# KiCad board OpenPLC_Hardware.kicad_pcb (continued)
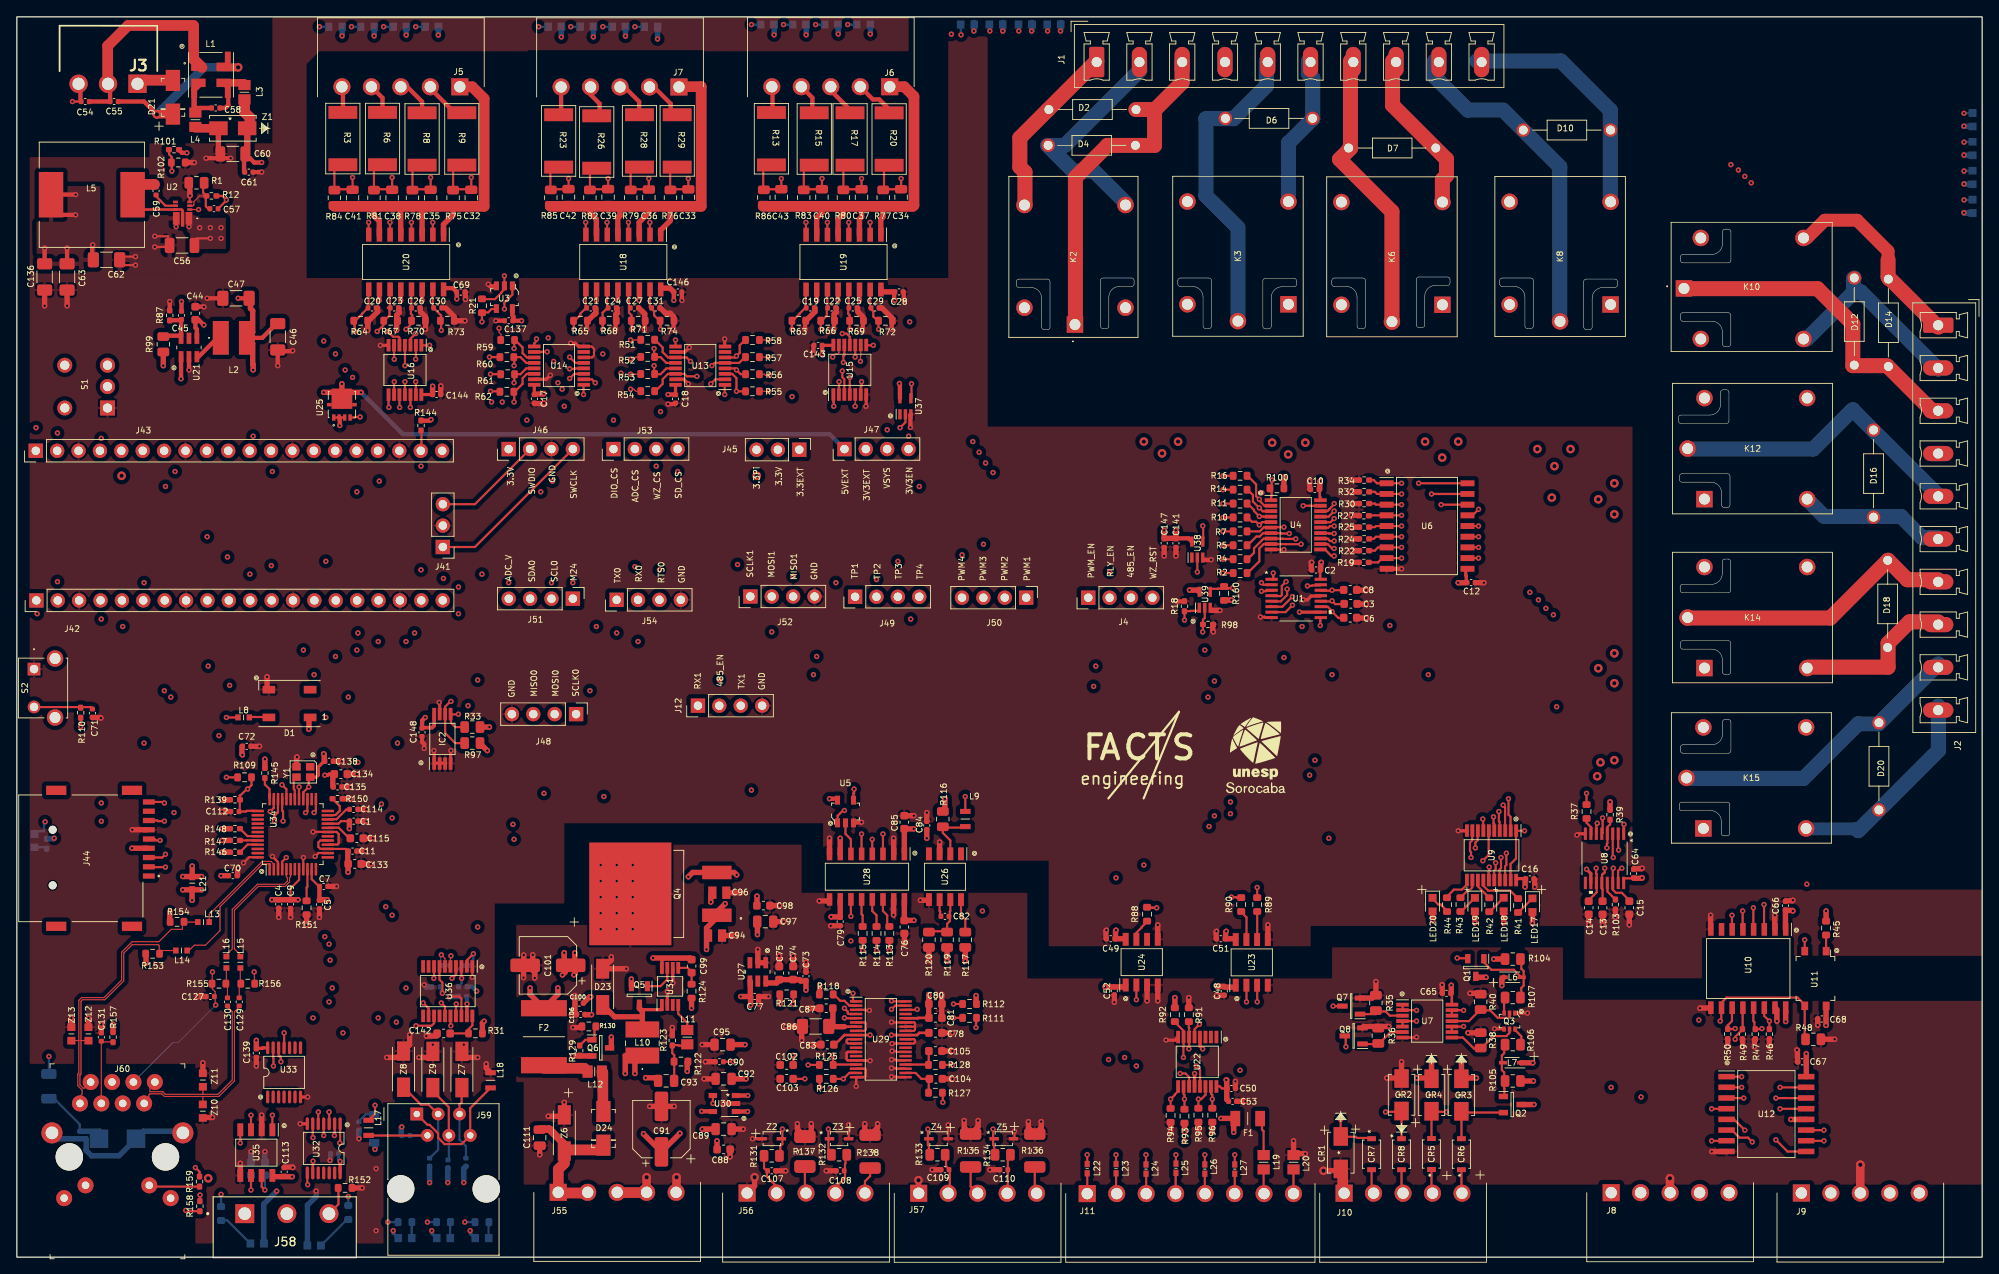
[diagram p0: board, top side]
## Routing (per net, layer and track width the routed paths; a pad name or vN(x,y) marks a point on that pad's centre or on a via; arc(x,y) is an arc through that point) (continued)
  Bottom w0.254: v1(65.78,146.15) 66.9,146.15
Net-(LED23-Pad1): length 63.7
  Top w0.127: v1(72.89,104.87) 74.14,104.87
  In2.Cu w0.127: v1(64.26,103.86) 66.93,103.86 67.56,104.49 72.51,104.49 v1(72.89,104.87)
  In3.Cu w0.127: v1(64.26,103.86) 64.26,110.21 59.94,114.52 59.94,143.48 60.96,144.5 61.47,144.5 62.73,145.77 65.4,145.77 65.53,145.64 66.04,145.64 66.55,146.15 v1(69.59,146.15)
  Bottom w0.254: v1(69.59,146.15) 70.71,146.15
Net-(LED24-Pad1): length 67.1
  Top w0.127: 74.14,102.84 73.53,102.84 73.28,103.09 v1(72.89,103.09)
  In2.Cu w0.127: v1(64.77,103.09) v1(72.89,103.09)
  In3.Cu w0.127: v1(64.77,103.09) 64.77,110.33 60.32,114.78 60.32,143.48 61.08,144.24 61.59,144.24 62.86,145.51 65.28,145.51 65.4,145.39 66.16,145.39 66.29,145.51 71.12,145.51 71.75,146.15 v1(73.4,146.15)
  Bottom w0.254: v1(73.4,146.15) 74.52,146.15
Net-(LED25-Pad1): length 59.5
  Top w0.127: 88.16,102.84 v1(89.28,102.84)
  In3.Cu w0.127: v1(98.68,146.4) 97.03,146.4 96.39,145.77 93.09,145.77 92.96,145.64 90.42,145.64 90.29,145.77 88.26,145.77 85.59,143.1 85.59,115.79 90.42,110.97 90.42,103.98 v1(89.28,102.84)
  Bottom w0.254: v1(98.68,146.4) 99.79,146.4
Net-(LED26-Pad1): length 54.5
  Top w0.127: v1(89.41,104.75) 88.9,104.75 88.77,104.87 88.16,104.87
  In3.Cu w0.127: v1(94.87,146.4) 92.83,146.4 92.33,145.89 90.8,145.89 90.67,146.02 88.14,146.02 86.74,144.62 86.36,144.62 85.09,143.35 85.09,115.16 90.04,110.21 90.04,106.27 89.41,105.63 v1(89.41,104.75)
  Bottom w0.254: v1(94.87,146.4) 95.98,146.4
Net-(LED27-Pad1): length 48.8
  Top w0.127: 88.16,106.9 v1(89.28,106.9)
  In3.Cu w0.127: v1(89.28,106.9) 89.79,107.41 89.79,109.57 84.45,114.91 84.45,143.1 86.23,144.88 86.61,144.88 88.14,146.4 v1(91.06,146.4)
  Bottom w0.254: v1(91.06,146.4) 92.17,146.4
Net-(LED28-Pad1): length 43.4
  Top w0.127: 88.16,108.94 v1(89.28,108.94)
  In3.Cu w0.127: v1(89.28,108.94) 83.82,114.4 83.82,142.97 v1(87.25,146.4)
  Bottom w0.254: v1(87.25,146.4) 88.36,146.4
Net-(LED29-Pad1): length 65
  Top w0.127: 57.5,108.94 57.5,109.6 57.27,109.83 v1(57.27,110.33)
  In2.Cu w0.127: v1(36.45,108.81) 38.73,111.1 51.3,111.1 52.07,110.33 v1(57.27,110.33)
  In3.Cu w0.127: v1(36.45,108.81) 36.45,111.6 32.64,115.41 32.64,142.85 v1(35.94,146.15)
  Bottom w0.254: v1(35.94,146.15) 37.06,146.15
Net-(LED30-Pad1): length 67
  Top w0.254: v1(56.13,106.9) 57.5,106.9
  In2.Cu w0.127: v1(56.13,106.9) 51.81,106.9 51.56,107.16 46.1,107.16 45.08,106.14 41.91,106.14 40.76,107.29 v1(37.84,107.29)
  In3.Cu w0.127: v1(39.75,146.15) 36.95,146.15 33.14,142.34 33.14,115.67 37.84,110.97 v1(37.84,107.29)
  Bottom w0.254: v1(39.75,146.15) 40.87,146.15
Net-(LED31-Pad1): length 70.6
  Top w0.254: v1(56.26,104.87) 57.5,104.87
  In2.Cu w0.127: v1(56.26,104.87) 42.54,104.87 42.03,105.38 v1(38.99,105.38)
  In3.Cu w0.127: v1(38.99,105.38) 38.99,110.59 33.65,115.92 33.65,142.21 37.33,145.89 39.11,145.89 39.37,145.64 40.89,145.64 41.4,146.15 v1(43.56,146.15)
  Bottom w0.254: v1(43.56,146.15) 44.68,146.15
Net-(LED32-Pad1): length 75.5
  Top w0.254: v1(56.26,102.84) 57.5,102.84
  In2.Cu w0.127: v1(39.88,104.49) 54.61,104.49 v1(56.26,102.84)
  In3.Cu w0.127: v1(39.88,104.49) 39.88,107.16 39.49,107.54 39.49,110.71 34.03,116.18 34.03,141.96 37.64,145.57 37.64,145.23 38.39,144.48 44.05,144.48 45.72,146.15 v1(47.37,146.15)
  Bottom w0.254: v1(47.37,146.15) 48.49,146.15
Net-(LED33-Pad2): length 1.5
  Bottom w0.254: LED33.2 3.42,48.68 3.55,48.55
Net-(LED34-Pad2): length 4.6
  Bottom w0.254: 39.37,4.52 39.24,4.52 LED34.2
Net-(LED35-Pad2): length 4.6
  Bottom w0.254: 24.28,4.37 24.98,4.37 LED35.2
Net-(LED36-Pad2): length 1.9
  Bottom w0.254: LED36.2 46.89,2.27 46.89,4.16
Net-(LED37-Pad2): length 1.9
  Bottom w0.254: 51.46,4.16 51.46,2.27 LED37.2
Net-(LED38-Pad2): length 1.9
  Bottom w0.254: LED38.2 56.03,2.27 56.03,4.16
Net-(Q3-Pad2): length 8.2
  Top w0.254: 170.43,28.04 172.46,28.04 173.73,29.31 175,29.31 175.89,28.42 177.16,28.42 177.29,28.55 Q3.2
Net-(Q3-Pad3): length 1.9
  Top w0.254: 176.64,28.99 176.64,30.82 176.65,30.83
Net-(Q3-Pad5): length 8.6
  Top w0.254: 170.43,26.09 171.75,26.09 173.06,24.78 173.9,24.78 175.38,26.26 176.91,26.26 177.29,26.64 Q3.5
Net-(Q3-Pad6): length 2.2
  Top w0.254: Q3.6 177.94,26.99 178.69,26.24 178.69,25.24
Net-(Q5-Pad1): length 4.1
  Top w0.254: Q5.1 76.45,32.19 77.25,33 U31.7
Net-(Q6-Pad1): length 3.7
  Top w0.254: R130.1 68.6,27.24 68.6,25.82 67.53,25.82 R129.2
Net-(Q7-Pad1): length 5.2
  Top w0.254: 159.86,28.86 161.41,28.86 161.41,29.18 162.57,29.18 163.06,28.69 164.59,28.69
Net-(Q8-Pad1): length 5.2
  Top w0.254: 159.86,25.31 161.48,25.31 ; 161.6,25.18 163.16,26.74 164.59,26.74
Net-(R2-Pad1): length 19.1
  Top w0.254: v1(152.52,84.68) 150.75,84.68 150.74,84.69 148.08,84.69 147.57,84.18 147.57,82.65 146.17,81.25 146.07,81.25 ; v1(151.51,77.44) 150.68,76.62 149.22,76.62
  In3.Cu w0.254: v1(151.51,77.44) 152.14,78.08 152.14,79.09 152.52,79.47 v1(152.52,84.68)
Net-(R4-Pad1): length 17
  Top w0.254: 146.07,82.9 146.17,82.9 146.94,83.66 146.94,84.2 148.08,85.34 150.34,85.34 150.37,85.31 v1(151.89,85.31) ; 149.22,77.25 150.3,77.25 v1(151.51,78.46)
  In3.Cu w0.254: v1(151.89,85.31) 151.89,79.47 151.51,79.09 v1(151.51,78.46)
Net-(R5-Pad1): length 15.4
  Top w0.254: v1(151.13,85.95) 150.24,85.95 150.2,85.99 148.01,85.99 147.61,85.59 147.21,85.59 146.17,84.55 146.07,84.55 ; 149.22,77.89 150.11,77.89 150.87,78.65 v1(150.87,79.35)
  In3.Cu w0.254: v1(151.13,85.95) 151.13,85.06 151.51,84.68 151.51,79.98 v1(150.87,79.35)
Net-(R7-Pad1): length 14.4
  Top w0.254: 149.22,78.52 150.11,78.52 150.24,78.65 150.24,79.73 v1(150.75,80.23) ; v1(150.49,86.71) 148.13,86.71 147.62,86.2 146.07,86.2
  In3.Cu w0.254: v1(150.75,80.23) 150.75,82.01 151.13,82.39 151.13,84.43 150.49,85.06 v1(150.49,86.71)
Net-(R10-Pad1): length 13.1
  Top w0.254: 149.22,79.16 148.33,79.16 148.33,79.09 v1(147.82,79.09) ; 148.95,87.31 147.91,87.31 v1(147.57,86.97) 147.19,87.35 146.68,87.35 146.17,87.85 146.07,87.85
  In3.Cu w0.254: v1(147.57,86.97) 147.57,83.66 147.19,83.28 147.19,79.73 v1(147.82,79.09)
Net-(R11-Pad1): length 13.5
  Top w0.254: 148.97,87.94 148.08,87.94 148.08,87.98 v1(147.57,87.98) 146.94,88.62 146.94,88.74 146.17,89.51 146.07,89.51 ; U1.2 148.07,79.87 v1(147.82,80.11)
  In3.Cu w0.254: v1(147.57,87.98) 148.46,87.09 148.46,80.74 v1(147.82,80.11)
Net-(R14-Pad1): length 13.7
  Top w0.254: 149.22,80.43 149.22,80.86 149.22,80.87 v1(149.22,81.25) ; 146.07,91.16 146.17,91.16 146.81,90.52 146.81,89.76 v1(147.57,89) 147.98,88.59 148.97,88.59
  In3.Cu w0.254: v1(149.22,81.25) 149.22,87.35 v1(147.57,89)
Net-(R16-Pad1): length 19.8
  Top w0.254: v1(153.29,79.73) 153.79,79.73 153.86,79.79 154.82,79.79 ; 148.97,89.24 148.19,89.24 147.57,89.86 v1(147.57,90.01) 147.19,90.39 147.19,91.79 146.17,92.81 146.07,92.81
  In3.Cu w0.254: v1(153.29,79.73) 153.29,81.25 153.16,81.38 153.16,84.93 149.6,88.49 149.09,88.49 v1(147.57,90.01)
Net-(R19-Pad1): length 15.1
  Top w0.254: 160.59,82.52 161.67,82.52 162.18,83.03 v1(164.46,83.03) ; v1(156.46,83.28) 156.14,83.28 155.38,84.04 154.81,84.04
  In2.Cu w0.127: v1(164.46,83.03) 161.92,83.03 160.78,81.89 157.86,81.89 v1(156.46,83.28)
Net-(R21-Pad1): length 14.9
  Top w0.254: v1(61.72,109.06) 61.72,108.81 61.47,108.56 61.47,108.16 ; v1(57.91,116.56) 57.91,114.96 57.53,114.58 57.53,114.52 56.79,113.79 55.24,113.79
  In3.Cu w0.127: v1(61.72,109.06) 61.72,110.71 57.91,114.52 v1(57.91,116.56)
Net-(R22-Pad1): length 14.7
  Top w0.254: 154.81,84.69 155.7,84.69 156.22,84.17 v1(156.46,84.17) ; 160.59,83.92 161.29,83.92 161.67,84.3 v1(164.46,84.3)
  In2.Cu w0.127: v1(164.46,84.3) 161.92,84.3 160.91,83.28 157.35,83.28 v1(156.46,84.17)
Net-(R24-Pad1): length 14.3
  Top w0.254: v1(164.46,85.57) 161.41,85.57 161.16,85.31 160.59,85.31 ; v1(156.46,85.06) 155.95,85.06 155.83,85.19 155.83,85.21 155.7,85.34 154.81,85.34
  In2.Cu w0.127: v1(156.46,85.06) 157.35,85.06 157.73,84.68 160.91,84.68 161.79,85.57 v1(164.46,85.57)
Net-(R25-Pad1): length 14
  Top w0.254: v1(164.46,86.84) 161.41,86.84 161.29,86.71 160.59,86.71 ; 154.81,85.99 155.79,85.99 155.83,85.95 v1(156.46,85.95)
  In2.Cu w0.127: v1(156.46,85.95) 160.91,85.95 161.79,86.84 v1(164.46,86.84)
Net-(R27-Pad1): length 14.1
  Top w0.254: 154.81,86.64 155.75,86.64 155.95,86.84 v1(156.46,86.84) ; 160.59,88.11 v1(164.46,88.11)
  In2.Cu w0.127: v1(164.46,88.11) 161.67,88.11 160.91,87.35 157.86,87.35 157.35,86.84 v1(156.46,86.84)
Net-(R30-Pad1): length 14.4
  Top w0.254: v1(164.46,89.38) 161.41,89.38 161.29,89.51 160.59,89.51 ; 154.81,87.29 156.02,87.29 v1(156.46,87.73)
  In2.Cu w0.127: v1(164.46,89.38) 161.67,89.38 161.03,88.74 157.48,88.74 v1(156.46,87.73)
Net-(R32-Pad1): length 14.8
  Top w0.254: v1(156.46,88.62) 155.79,87.94 154.81,87.94 ; v1(164.46,90.65) 161.54,90.65 161.29,90.9 160.59,90.9
  In2.Cu w0.127: v1(164.46,90.65) 161.54,90.65 161.03,90.14 157.98,90.14 v1(156.46,88.62)
Net-(R34-Pad1): length 15.2
  Top w0.254: 154.84,88.62 155.66,88.62 155.89,88.85 155.89,88.85 156.46,89.43 v1(156.46,89.51) ; 160.59,92.3 161.16,92.3 161.54,91.92 v1(164.46,91.92)
  In2.Cu w0.127: v1(156.46,89.51) 157.35,90.39 157.35,90.65 158.24,91.54 161.16,91.54 161.54,91.92 v1(164.46,91.92)
Net-(R37-Pad1): length 2.2
  Top w0.254: 187,50.14 187,51.02 186.43,51.6 186.43,52.14
Net-(R41-Pad2): length 5.4
  Top w0.254: 178.23,42.67 177.36,43.53 174.75,43.53 174.15,44.13 174.15,44.8
Net-(R42-Pad2): length 2.7
  Top w0.254: 173.5,44.8 173.5,44.06 R42.2
Net-(R43-Pad2): length 2.8
  Top w0.254: 172.85,44.8 172.85,43.91 172.47,43.53 172.29,43.53 171.45,42.69
Net-(R44-Pad2): length 3.7
  Top w0.254: 169.8,42.67 169.8,42.77 170.69,43.66 171.63,43.66 172.2,44.23 172.2,44.8
Net-(R45-Pad2): length 1.9
  Top w0.254: 214.88,36.37 214.88,38.3
Net-(R48-Pad1): length 29.5
  Top w0.254: v1(202.31,28.04) 202.44,28.16 202.44,30.2 203.07,30.83 211.5,30.83 212.34,29.99 212.34,25.88 ; v1(201.29,17.62) 203.07,17.62
  In3.Cu w0.254: v1(202.31,28.04) 202.31,23.08 201.29,22.07 v1(201.29,17.62)
Net-(R100-Pad1): length 14.5
  Top w0.254: 148.97,89.89 148.97,90.39 149.03,90.46 149.03,92.24 v1(149.09,92.3) ; 140.9,85.34 140.9,86.81 v1(140.85,86.86)
  In3.Cu w0.254: v1(140.85,86.86) 142.6,88.62 144.27,88.62 147.95,92.3 v1(149.09,92.3)
Net-(R103-Pad2): length 2.5
  Top w0.254: R103.2 188.91,43.43 188.91,44.54
Net-(R111-Pad2): length 7.3
  Top w0.254: v1(106.93,29.43) 106.88,29.38 105.51,29.38 ; v1(111.25,28.42) 112.37,28.42
  In2.Cu w0.254: v1(106.93,29.43) 108.58,29.43 109.6,28.42 v1(111.25,28.42)
Net-(R113-Pad2): length 3.5
  Top w0.254: 102.87,42.31 102.87,41.12 103.38,40.61 103.38,39.24 103.63,39.24
Net-(R114-Pad2): length 3.3
  Top w0.254: 101.6,42.31 101.6,41.12 102.1,40.61 102.1,39.24
Net-(R115-Pad2): length 3.1
  Top w0.254: 100.45,39.24 100.45,40.61 100.33,40.74 100.33,42.31
Net-(R117-Pad1): length 3.8
  Top w0.254: 112.65,38.71 112.65,40.1 112.14,40.61 112.14,42.31
Net-(R118-Pad2): length 3.3
  Top w0.254: 96.92,31.21 97.03,31.21 97.79,30.45 98.3,30.45 98.87,29.88 99.71,29.88
Net-(R121-Pad2): length 12.6
  Top w0.254: 92.22,31.21 92.22,30.1 v1(92.2,30.07) ; 99.71,28.88 98.78,28.88 98.68,28.97 98.68,29.17 v1(98.3,29.56)
  In2.Cu w0.254: v1(92.2,30.07) 93.22,30.07 93.34,30.2 95.37,30.2 97.79,27.78 98.55,27.78 98.93,28.16 98.93,28.93 v1(98.3,29.56)
Net-(R125-Pad2): length 13.5
  Top w0.254: v1(93.98,22.83) 95.35,22.83 ; 90.67,12.04 90.67,13.18 90.93,13.43 v1(90.93,15.21)
  In3.Cu w0.254: v1(93.98,22.83) 90.93,19.78 v1(90.93,15.21)
Net-(R126-Pad2): length 9.5
  Top w0.254: 96.39,12.16 v1(96.39,15.21) ; v1(95.37,20.16) 95.37,20.67 95.35,20.67 95.35,21.18
  In3.Cu w0.254: v1(95.37,20.16) 95.37,18.89 96.39,17.88 v1(96.39,15.21)
Net-(R127-Pad2): length 8.2
  Top w0.254: 108.33,12.16 108.33,13.18 108.2,13.31 v1(108.2,15.21) ; v1(109.98,18.39) 109.98,19.43 109.88,19.53
  In3.Cu w0.254: v1(109.98,18.39) 108.2,16.61 v1(108.2,15.21)
Net-(R128-Pad2): length 14
  Top w0.254: 116.07,12.16 116.07,13.18 115.95,13.31 v1(115.95,15.21) ; 109.88,22.83 v1(111.12,22.83)
  In3.Cu w0.254: v1(115.95,15.21) 115.95,18 v1(111.12,22.83)
Net-(R140-Pad1): length 8
  Top w0.254: v1(34.54,8.61) 34.5,8.61 U32.8
  In2.Cu w0.127: v1(39.37,7.21) 37.97,7.21 36.57,8.61 v1(34.54,8.61)
  Bottom w0.254: 39.37,6.09 v1(39.37,7.21)
Net-(R142-Pad1): length 17.3
  Top w0.254: v1(35.18,14.19) 35.15,14.19 U32.6
  In3.Cu w0.127: v1(44.07,4.16) 44.07,6.07 43.05,7.08 43.05,7.46 38.61,11.91 37.46,11.91 v1(35.18,14.19)
  Bottom w0.254: v1(44.07,4.16) 45.31,4.16
Net-(R143-Pad1): length 19.4
  Top w0.254: v1(36.45,14.45) U32.4
  In3.Cu w0.127: v1(48.77,4.16) 46.35,4.16 43.3,7.21 43.3,7.59 38.1,12.8 37.97,12.8 36.45,14.32 v1(36.45,14.45)
  Bottom w0.254: v1(48.77,4.16) 49.88,4.16
Net-(R146-Pad2): length 2.4
  Top w0.254: 28.51,49.01 27.41,49.01 26.5,48.1
Net-(R147-Pad2): length 2
  Top w0.254: 28.51,49.51 27.31,49.51 27.3,49.5 26.48,49.5
Net-(R148-Pad2): length 2.4
  Top w0.254: R148.2 27.39,50.01 28.51,50.01
Net-(R149-Pad1): length 23.2
  Top w0.254: U32.2 37.75,14.48 v1(37.72,14.45)
  In3.Cu w0.127: v1(37.72,14.45) 37.72,13.43 38.1,13.05 38.22,13.05 43.56,7.72 43.56,7.34 45.59,5.3 52.07,5.3 v1(53.21,4.16)
  Bottom w0.254: v1(53.21,4.16) 54.45,4.16
Net-(R150-Pad2): length 3.3
  Top w0.254: 37.53,54.45 37.59,54.39 37.59,54.33 38.35,53.56 38.35,53.02 37.84,52.51 37.01,52.51
Net-(R151-Pad1): length 3.8
  Top w0.254: 34.51,46.01 34.51,44.01 34.41,43.91 34.41,42.29
Net-(R160-Pad1): length 23.1
  Top w0.254: 154.81,89.24 153.55,89.24 153.54,89.25 v1(152.78,89.25) ; v1(144.4,79.47) 143.89,79.47 143.89,79.41 142.68,79.41 142.66,79.39 141.92,79.39
  In2.Cu w0.254: v1(152.78,89.25) 151.13,89.25 149.58,90.79 v1(147.87,90.79)
  In3.Cu w0.254: v1(147.87,90.79) 147.44,90.79 144.4,87.75 v1(144.4,79.47)
Net-(U8-Pad1): length 20
  Top w0.254: 174.15,50.64 174.15,52.04 v1(174.11,52.04) ; v1(190.88,51.41) 190.84,51.37 190.84,50.29
  In2.Cu w0.254: v1(190.88,51.41) 189.48,51.41 188.97,50.9 183.51,50.9 183.13,51.28 174.88,51.28 v1(174.11,52.04)
Net-(U8-Pad2): length 22.7
  Top w0.254: v1(190.24,48.36) 190.2,48.41 190.2,50.29 ; v1(173.22,48.61) 173.22,49.25 173.5,49.53 173.5,50.64
  In2.Cu w0.254: v1(173.22,48.61) 173.35,48.48 174.37,48.48 175.76,49.88 181.23,49.88 183.13,47.98 189.1,47.98 189.48,48.36 v1(190.24,48.36)
Net-(U8-Pad3): length 24.5
  Top w0.254: 189.54,50.29 189.54,47.53 v1(189.61,47.47) ; 172.85,50.64 172.85,49.51 172.59,49.25 172.59,48.23 172.72,48.1 v1(172.72,47.47)
  In2.Cu w0.254: v1(172.72,47.47) 173.35,47.47 173.73,47.85 174.5,47.85 175.89,49.25 180.72,49.25 182.5,47.47 v1(189.61,47.47)
Net-(U8-Pad15): length 24.1
  Top w0.254: v1(174.11,47.09) 174.8,47.78 174.8,50.64 ; 190.18,44.54 190.18,45.88 190.62,46.33 v1(190.62,46.2)
  In2.Cu w0.254: v1(174.11,47.09) 174.62,47.09 176.15,48.61 180.72,48.61 182.5,46.83 189.99,46.83 v1(190.62,46.2)
Net-(U10-Pad3): length 39.3
  Top w0.254: 207.51,38.96 v1(207.51,41.88) ; 176.76,44.8 176.76,46.43 176.91,46.58 v1(176.91,47.98)
  In2.Cu w0.254: v1(176.91,47.98) 180.72,47.98 184.78,43.91 205.48,43.91 v1(207.51,41.88)
Net-(U10-Pad4): length 37.7
  Top w0.254: v1(176.27,47.47) 176.27,46.2 176.11,46.03 176.11,44.8 ; 206.25,38.96 v1(206.25,41.5)
  In2.Cu w0.254: v1(176.27,47.47) 176.4,47.34 180.59,47.34 184.66,43.28 204.47,43.28 v1(206.25,41.5)
Net-(U10-Pad5): length 36
  Top w0.254: 204.97,38.96 v1(204.97,41.12) ; v1(175.64,46.83) 175.64,46.07 175.46,45.89 175.46,44.8
  In2.Cu w0.254: v1(175.64,46.83) 180.34,46.83 184.66,42.52 203.58,42.52 v1(204.97,41.12)
Net-(U10-Pad6): length 34.4
  Top w0.254: v1(174.88,46.33) 174.88,45.82 174.8,45.75 174.8,44.8 ; 203.71,38.96 v1(203.71,40.61)
  In2.Cu w0.254: v1(203.71,40.61) 202.44,41.88 184.53,41.88 180.21,46.2 175,46.2 v1(174.88,46.33)
Net-(U13-Pad1): length 44.2
  Top w0.254: v1(84.07,102.46) 84.07,103.61 ; U37.4 106.26,102.09 v1(106.26,103.74) ; v1(67.31,102.46) 67.31,103.61
  In2.Cu w0.127: v1(106.26,103.74) 105.36,102.84 91.06,102.84 90.47,102.26 85.23,102.26 85.15,102.33 84.83,102.33 84.71,102.46 v1(84.07,102.46) 80.9,102.46 80.39,102.97 75.31,102.97 74.67,102.33 70.1,102.33 69.97,102.46 v1(67.31,102.46)
Net-(U22-Pad5): length 10.3
  Top w0.254: v1(146.05,30.32) 146.05,32.15 ; v1(140.46,27.66) 139.88,27.08 139.88,26.13
  In3.Cu w0.254: v1(146.05,30.32) 144.65,28.93 141.73,28.93 v1(140.46,27.66)
Net-(U22-Pad11): length 21.6
  Top w0.254: v1(147.32,30.32) 147.32,32.15 ; 139.23,20.29 139.23,21.39 138.81,21.81 v1(138.17,21.81)
  In2.Cu w0.254: v1(138.17,21.81) 138.17,21.43 138.94,20.67 141.73,20.67 143.25,22.2 v1(145.28,22.2)
  In3.Cu w0.254: v1(147.32,30.32) 147.32,27.28 145.28,25.24 v1(145.28,22.2)
Net-(U22-Pad13): length 19.2
  Top w0.254: 140.53,20.29 140.53,22.25 v1(140.08,22.7) ; v1(132.97,30.58) 132.97,32.15
  In2.Cu w0.254: v1(132.97,22.7) v1(140.08,22.7)
  In3.Cu w0.254: v1(132.97,22.7) v1(132.97,30.58)
Net-(U28-Pad6): length 3.8
  Top w0.254: 98.42,51.63 98.42,50.26 99.06,49.63 99.06,48.05
Net-(U33-Pad12): length 10.1
  Top w0.254: 31.1,24.86 31.1,23.97 31.22,23.85 31.24,23.85 31.37,23.72 v1(31.37,23.21) ; 30.35,15.29 v1(30.35,16.86)
  In3.Cu w0.254: v1(31.37,23.21) 31.37,20.54 30.35,19.53 v1(30.35,16.86)
Net-(U34-Pad30): length 2.7
  Top w0.254: 33.22,57.02 32.89,56.69 32.89,55.6 33.01,55.47 33.01,54.51
unconnected-(S1-Pad4): length 5.1
  In3.Cu w0.508: 5.67,100.86 5.67,105.94

## Copper pours and planes (outline as drawn; the poured copper is in the pictures)
+3.3V on In2.Cu: 110.36,113.89 42.41,113.89 42.41,101.95 15.62,101.95 15.62,107.67 1.52,107.67 1.52,22.96 21.21,22.96 21.21,1.62 23.37,1.62 23.37,7.46 40.38,7.46 40.38,1.62 43.56,1.62 43.56,18.39 56.77,18.39 56.77,42.01 65.02,42.01 65.02,51.53 95.75,51.53 95.75,47.09 122.55,47.09 122.55,36.93 153.67,36.93 153.67,39.34 186.18,39.34 186.18,33.12 200.15,33.12 200.15,37.94 211.07,37.94 211.07,35.78 233.47,35.78 233.47,43.66 194.43,43.66 194.43,47.6 191.89,47.6 191.89,51.28 188.34,51.28 188.34,53.31 185.16,53.31 185.16,78.71 163.45,78.71 163.45,93.57 131.95,93.57 129.03,96.49 110.36,96.49
+3.3V on In3.Cu: 21.21,21.94 21.21,7.46 40.38,7.46 40.38,1.62 43.56,1.62 43.56,18.39 56.77,18.39 56.77,42.01 65.02,42.01 65.02,51.53 95.75,51.53 95.75,47.09 122.55,47.09 122.55,36.93 153.67,36.93 153.67,39.34 186.18,39.34 186.18,33.12 200.15,33.12 200.15,37.94 211.07,37.94 211.07,35.78 233.43,35.78 233.43,43.66 194.43,43.66 194.43,47.6 191.89,47.6 191.89,98.65 115.31,98.65 115.31,116.3 30.35,116.3 30.35,126.46 19.81,126.46 19.81,127.35 15.74,127.35 15.74,130.65 1.52,130.65 1.52,44.67 26.92,44.67 26.92,54.07 41.02,54.07 41.02,38.2 26.92,38.2 26.92,21.94
+3.3VA on In2.Cu: 89.91,28.93 115.06,28.93 115.06,43.28 93.22,43.28 93.22,48.99 74.16,48.99 74.16,13.31 84.33,13.31 84.33,19.66 78.36,19.66 78.36,46.45 89.91,46.45
+5V_EXT on Top: 9.9,117.32 2.38,117.33 2.28,127.22 9.9,127.22
+5V_EXT on In2.Cu: 1.52,108.17 1.52,130.65 15.87,130.65 15.87,127.22 25.65,127.22 25.65,124.05 19.17,124.05 19.17,114.65 28.57,114.65 28.57,113.76 41.91,113.76 41.91,102.33 16.13,102.33 16.13,108.17
+5VA on In2.Cu: 84.83,13.56 233.55,13.56 233.55,30.45 183.64,30.45 183.64,36.8 156.21,36.8 156.21,33.12 120.01,33.12 120.01,43.28 115.57,43.28 115.57,28.42 89.41,28.42 89.41,45.94 78.86,45.94 78.86,20.16 84.83,20.16
+24V on Top: 21.78,123.45 24.83,123.45 24.83,119.73 20.57,119.73 20.57,121.51 20.13,121.95 20.13,124.05 21.17,124.05
+24V on In2.Cu: 16.38,132.3 30.48,132.3 30.48,116.3 115.19,116.3 115.19,98.52 191.77,98.52 191.77,51.91 188.85,51.91 188.85,53.82 185.67,53.82 185.67,79.22 163.95,79.22 163.95,94.08 132.59,94.08 129.54,97.13 110.87,97.13 110.87,114.27 29.08,114.27 29.08,115.16 19.68,115.16 19.68,123.41 26.29,123.41 26.29,127.86 16.38,127.86
+24VI on In3.Cu: 59.31,20.8 72.15,20.78 72.15,24.74 67.05,24.74 67.05,32.61 63.62,32.61 63.62,38.07 80.77,38.07 80.77,42.77 90.04,42.77 90.04,37.05 102.1,37.05 102.1,33.37 115.57,33.37 115.57,27.02 160.53,27.02 160.53,18.64 173.61,18.64 173.61,13.69 183.64,13.69 183.64,36.8 156.21,36.8 156.21,33.12 120.01,33.12 120.01,43.28 93.22,43.28 93.22,48.99 67.56,48.99 67.56,39.47 59.31,39.47
+24VI on In3.Cu: 71.75,13.81 71.75,24.74 81.53,24.74 81.53,42.13 89.41,42.13 89.41,13.81
AVDD on In3.Cu: 27.43,44.17 1.52,44.17 1.52,22.45 26.41,22.45 26.41,38.71 40.51,38.71 40.51,53.56 27.43,53.56
GND on Top: 19.3,121.89 18.79,121.38 18.79,117 11.43,117 11.43,119.54 15.11,119.54 15.11,121.7 17.46,124.05 19.3,124.05
GND on Top: 1.52,130.65 15.74,130.65 15.74,132.3 30.35,132.3 30.35,147.54 105.91,147.54 105.91,143.23 35.94,143.23 34.41,141.7 34.41,116.3 110.61,116.3 110.61,145 115.31,145 115.31,98.65 191.89,98.65 191.89,47.6 194.43,47.6 194.43,43.66 233.47,43.66 233.47,35.78 211.07,35.78 211.07,37.94 200.15,37.94 200.15,33.12 186.18,33.12 186.18,39.34 153.67,39.34 153.67,36.93 122.55,36.93 122.55,47.09 95.75,47.09 95.75,51.53 65.02,51.53 65.02,42.01 56.77,42.01 56.77,18.39 43.56,18.39 43.56,1.62 40.38,1.62 40.38,7.46 23.37,7.46 23.37,1.62 21.21,1.62 21.21,22.96 1.52,22.96
GND on Bottom: 1.52,130.65 15.74,130.65 15.74,127.35 19.81,127.35 19.81,126.46 30.35,126.46 30.35,147.54 105.91,147.54 105.91,143.23 35.94,143.23 34.41,141.7 34.41,116.3 110.61,116.3 110.61,145 115.31,145 115.31,98.65 191.89,98.65 191.89,47.6 194.43,47.6 194.43,43.66 233.48,43.66 233.48,35.78 211.07,35.78 211.07,37.94 200.15,37.94 200.15,33.12 186.18,33.12 186.18,39.34 153.67,39.34 153.67,36.93 122.55,36.93 122.55,47.09 95.75,47.09 95.75,51.53 65.02,51.53 65.02,42.01 56.77,42.01 56.77,18.39 43.56,18.39 43.56,1.62 40.38,1.62 40.38,7.46 23.37,7.46 23.37,1.62 21.21,1.62 21.21,22.96 1.52,22.96
GNDA on Top: 60.19,8.61 233.55,8.61 233.55,30.45 211.07,30.45 211.07,30.58 183.64,30.58 183.64,36.8 156.21,36.8 156.21,33.12 120.01,33.12 120.01,43.28 93.22,43.28 93.22,48.99 67.56,48.99 67.56,39.47 59.31,39.47 59.31,20.8 60.19,20.8
GNDA on Bottom: 60.19,8.61 233.55,8.61 233.55,30.45 211.07,30.45 211.07,30.58 183.64,30.58 183.64,36.8 156.21,36.8 156.21,33.12 120.01,33.12 120.01,43.28 93.22,43.28 93.22,48.99 67.56,48.99 67.56,39.47 59.31,39.47 59.31,20.8 60.19,20.8
GNDA on In2.Cu: 73.66,13.05 73.66,48.99 67.56,48.99 67.56,39.47 59.31,39.47 59.31,20.8 60.19,20.8 60.19,8.61 233.55,8.61 233.55,13.05
GNDA on In3.Cu: 60.96,20.29 60.96,8.61 233.55,8.61 233.55,30.45 184.15,30.45 184.15,13.18 173.1,13.18 173.1,18.13 160.02,18.13 160.02,26.51 115.06,26.51 115.06,32.86 101.6,32.86 101.6,36.55 89.91,36.55 89.91,13.31 71.24,13.31 71.24,20.29
Net-(C57-Pad1) on Top: 22.73,124.11 22.48,124.11 22.09,125.19 21.21,125.19 21.21,126.08 21.59,126.46 21.59,127.99 22.73,127.99
Net-(C100-Pad1) on In3.Cu: 64.13,37.44 64.13,33.24 67.69,33.24 67.69,25.37 80.9,25.37 80.9,37.44

## Text on the board
Mechanical 10: 1.0mm | 17xs | 5.6mm | 2.6mm
F.Silkscreen: ADC_V | 3.3V | GND | SWDIO | SDA0 | MISO0 | SCL0 | MOSI0 | SWCLK | M24 | SCLK0 | DIO_CS | TX0 | ADC_CS | RX0 | WZ_CS | RTS0 | SD_CS | RX1 | 485_EN | TX1 | SCLK1 | 3.3Pi | MOSI1 | MISO1 | 3.3EXT | 5VEXT | TP1 | 3V3EXT | TP2 | VSYS | TP3 | 3V3EN | TP4 | PWM4 | PWM3 | PWM2 | PWM1 | PWM_EN | RLY_EN | WZ_RST | engineering | F | A | C | T | S
